# Altium PCB KS_V3S.PcbDoc
Units mil, origin at the board's own origin, x right, y up, seen from the top; angles counter-clockwise.
Board outline 2127 x 1316 mil, 2 copper layers (Top Layer, Bottom Layer), stack 61.756 mil thick; 107 components, 123 nets, 555 pads, 98 vias.
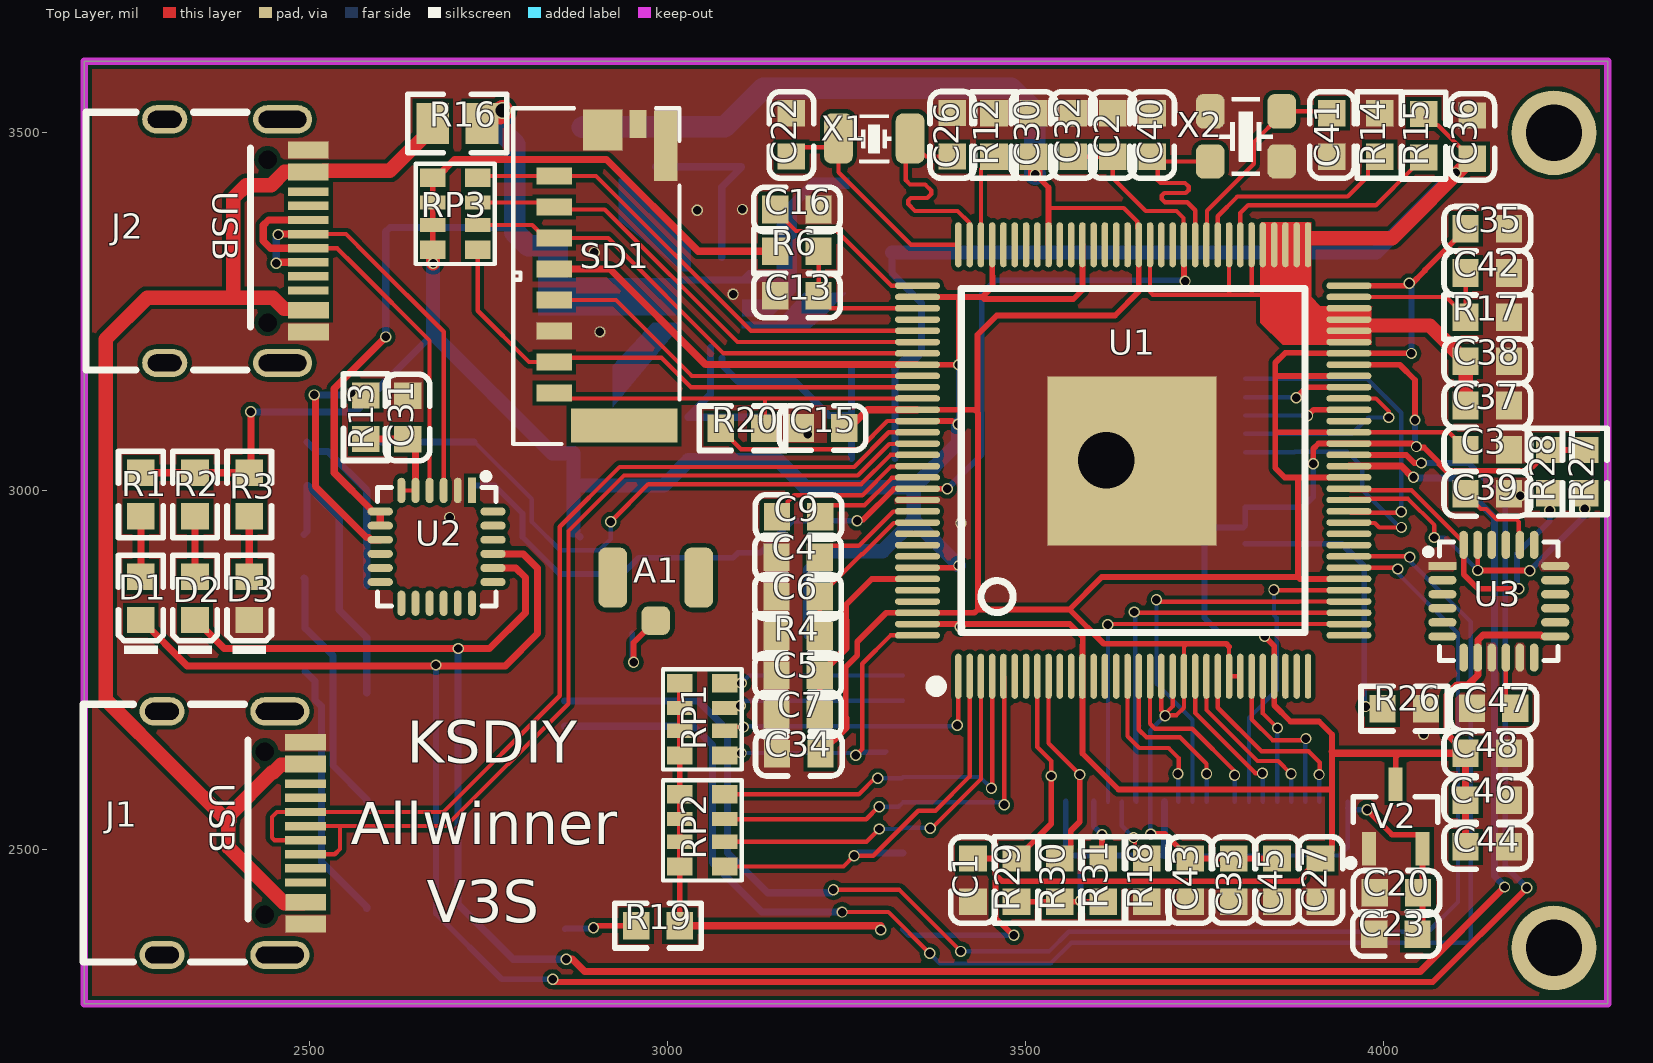
[diagram p0: Top Layer view]
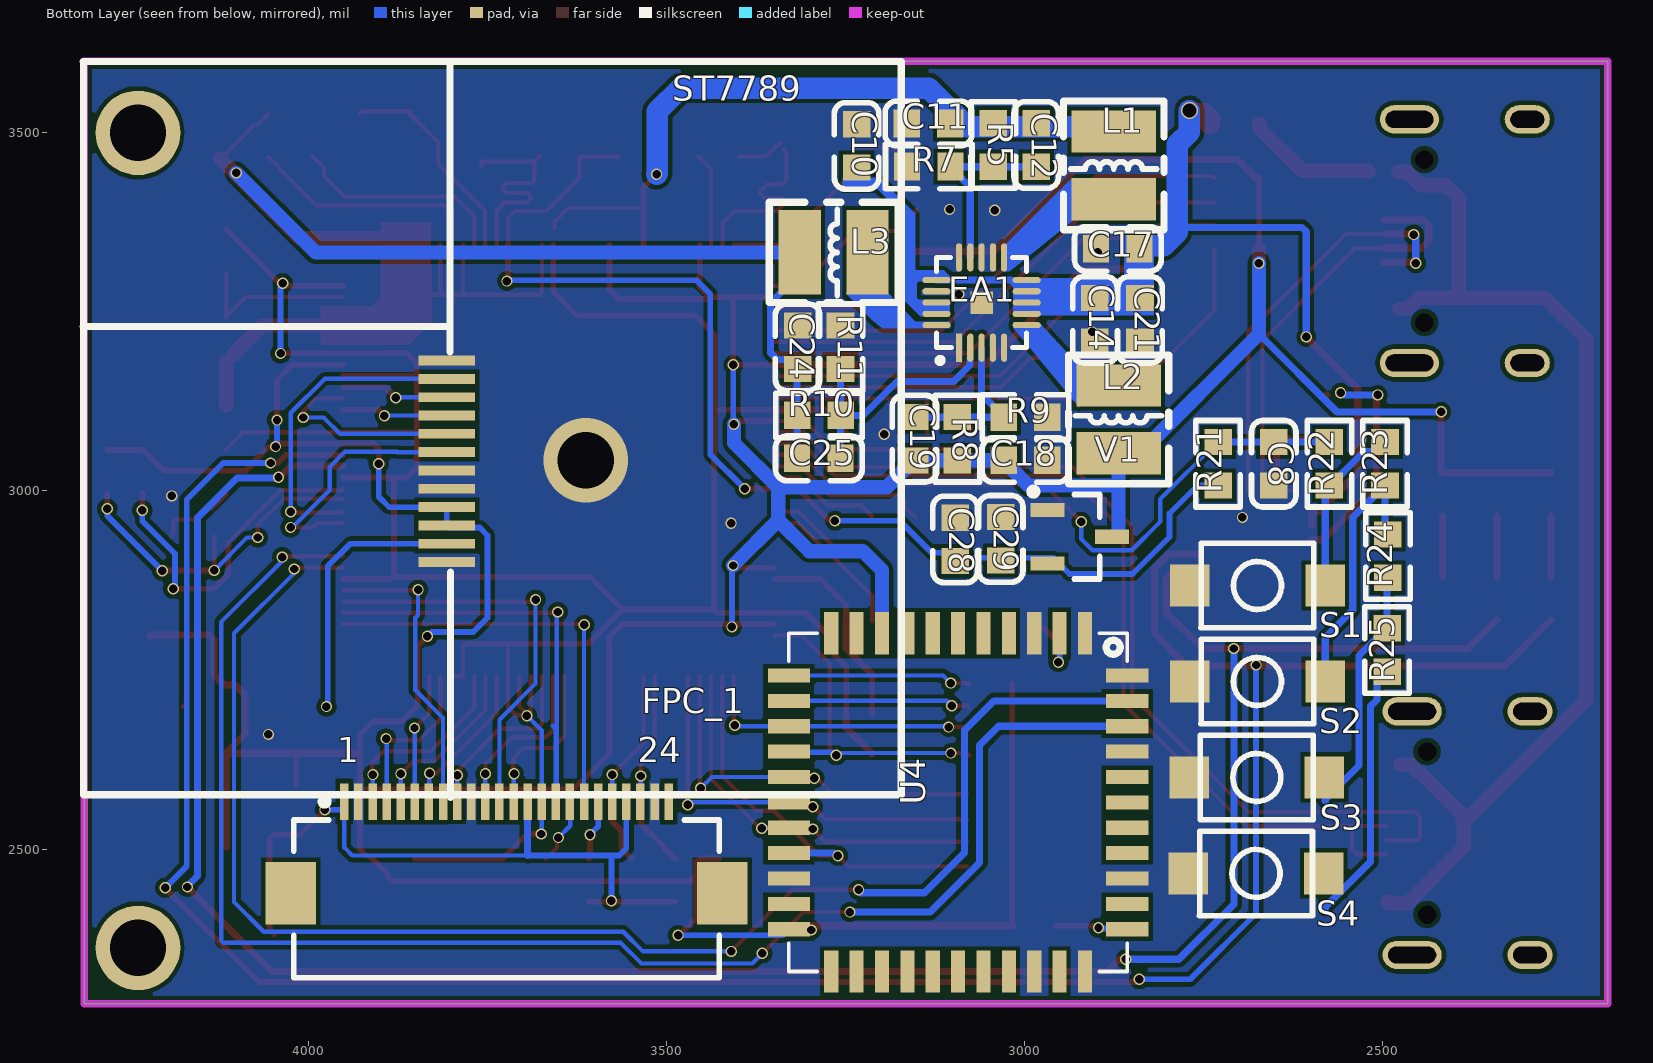
[diagram p1: Bottom Layer view, seen from below]
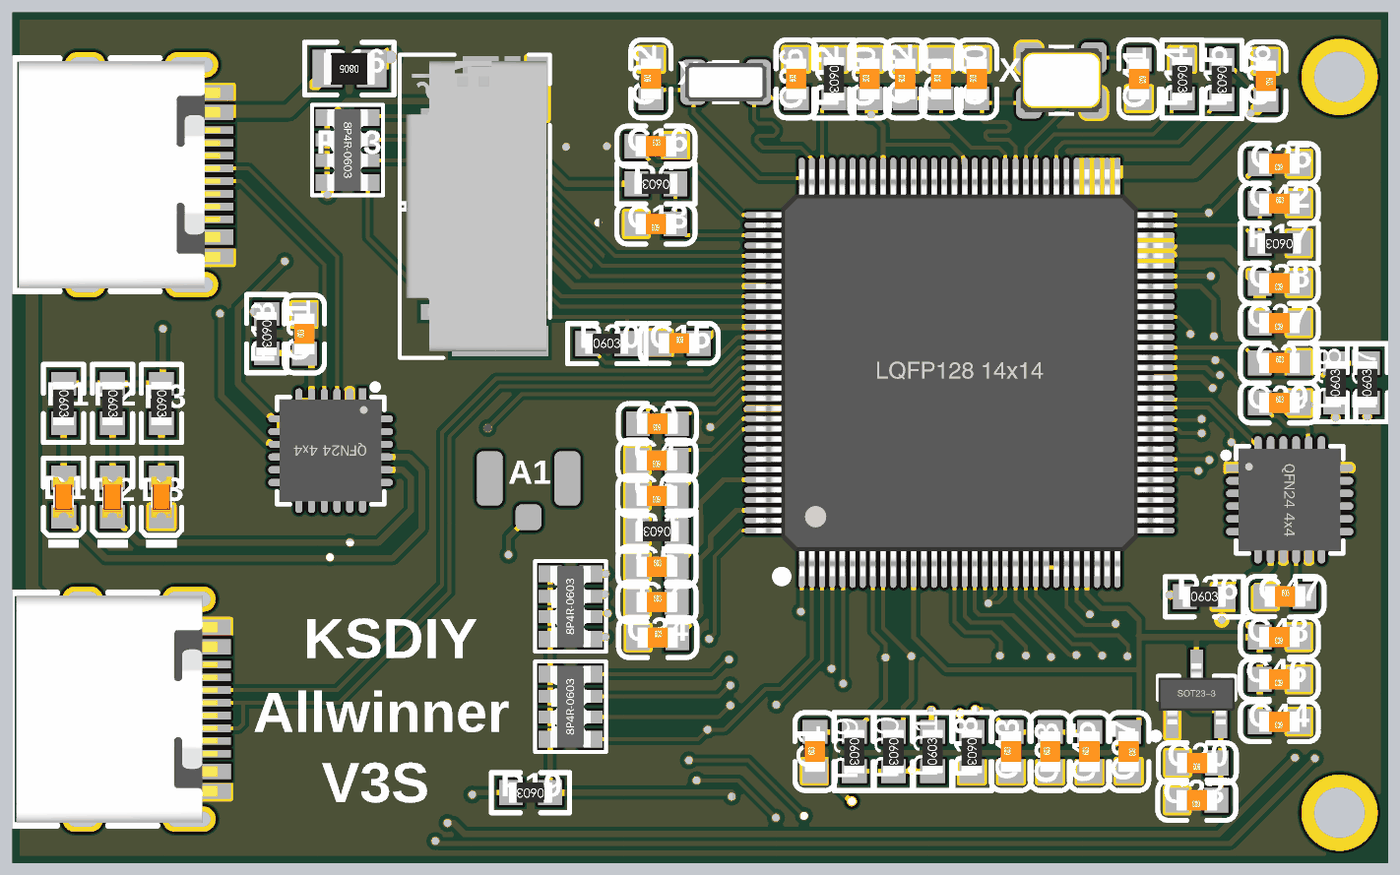
[diagram p2: 3D render of the assembled board from above, using the file's embedded part models]
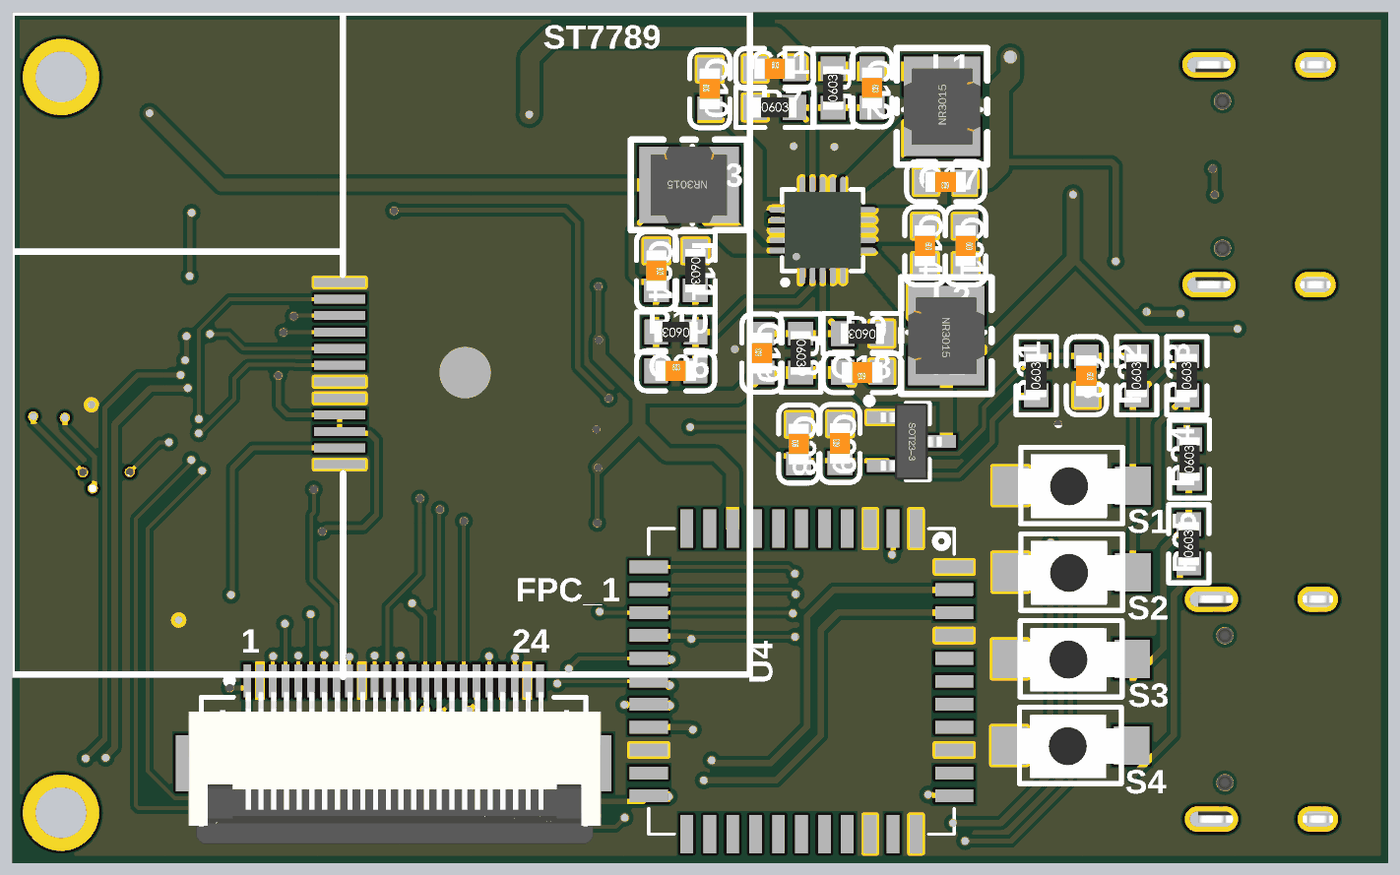
[diagram p3: 3D render of the assembled board from below, using the file's embedded part models]

## Layer stack, top to bottom
Top Solder: solder mask 1, SM-001, Dk 4
Top Layer: signal copper 1.378
Dielectric 1: core 59, Core-043, Dk 4.3
Bottom Layer: signal copper 1.378
Bottom Solder: solder mask 1, SM-001, Dk 4

## Board outline
2186,2284 4313,2284 4313,3600 2186,3600

## Design rules (kind name [scope] priority, off if disabled: settings)
Clearance [All] p1: gap=6 ignorepadtopadclearanceinfootprint=FALSE
PolygonConnect [All] p1: connectstyle=Direct reliefconductorwidth=10 reliefentries=4 polygonreliefangle="90 Angle" airgapwidth=10
RoutingVias [All] p1: holewidth=11.81 width=15.75 viastyle="Through Hole" minholewidth=11.81 minwidth=15.75 maxholewidth=11.81 maxwidth=15.75
SolderMaskExpansion [All] p1: expansion=4 istentingtop=FALSE
Width [All] p1: maxlimit=30 minlimit=6 preferedwidth=8
30 further rules are at their usual default settings.

## Components (designator, comment, footprint, x,y, rotation, side; value= is the part's Value field where it differs from the comment)
A1 "IPX_SMA" IPX_SMA 2984,2879 r270 top
C1 "104" 0603_C 3426.9,2456.63 r90 top
C2 "104" 0603_C 3621.8,3497 r90 top
C3 "105" 0603_C 4145,3057.67 r0 top
C4 "105" 0603_C 3182.68,2907.2 r180 top
C5 "106" 0603_C 3182.68,2742.7 r0 top
C6 "106" 0603_C 3182.68,2852.37 r180 top
C7 "104" 0603_C 3182.68,2687.87 r0 top
C8 "106" 0603_C 2652.33,3038 r270 bottom
C9 "104" 0603_C 3183.36,2963.81 r180 top
C10 "106" 0603_C 3234.74,3481.79 r90 bottom
C11 "106" 0603_C 3134.32,3513 r180 bottom
C12 "18PF" 0603_C 2984,3483 r270 bottom
C13 "104" 0603_C 3181,3272.7 r180 top
C14 "106" 0603_C 2902,3239 r270 bottom
C15 "104" 0603_C 3216.94,3087.93 r0 top
C16 "106" 0603_C 3181,3393 r0 top
C17 "106" 0603_C 2870,3338 r0 bottom
C18 "106" 0603_C 2999,3043 r0 bottom
C19 "18PF" 0603_C 3154,3073 r90 bottom
C20 "104" 0603_C 4018,2439 r180 top
C21 "106" 0603_C 2839,3239 r270 bottom
C22 "10PF" 0603_C 3173.32,3497.17 r90 top
C23 "106" 0603_C 4017.35,2381.29 r180 top
C24 "106" 0603_C 3317.14,3200.53 r270 bottom
C25 "18PF" 0603_C 3287.46,3045.53 r180 bottom
C26 "10PF" 0603_C 3397.89,3497.2 r90 top
C27 "104" 0603_C 3912,2456.63 r270 top
C28 "104" 0603_C 3097.18,2932.35 r90 bottom
C29 "106" 0603_C 3033.53,2933.13 r90 bottom
C30 "106" 0603_C 3511.4,3497 r90 top
C31 "104" 0603_C 2637.44,3102.44 r90 top
C32 "104" 0603_C 3566.6,3497 r90 top
C33 "104" 0603_C 3790.72,2456.63 r90 top
C34 "105" 0603_C 3183.68,2633.04 r0 top
C35 "106" 0603_C 4145,3366 r180 top
C36 "104" 0603_C 4124,3494 r270 top
C37 "105" 0603_C 4145,3119.33 r180 top
C38 "106" 0603_C 4145,3181 r180 top
C39 "104" 0603_C 4145,2996 r0 top
C40 "10PF" 0603_C 3677,3497 r90 top
C41 "10PF" 0603_C 3928,3497 r270 top
C42 "106" 0603_C 4145,3304.33 r0 top
C43 "104" 0603_C 3730.09,2456.63 r90 top
C44 "104" 0603_C 4145,2503 r180 top
C45 "104" 0603_C 3851.36,2456.63 r90 top
C46 "104" 0603_C 4145,2568.33 r180 top
C47 "104" 0603_C 4153.69,2696.53 r0 top
C48 "104" 0603_C 4145,2633.67 r180 top
D1 "白灯 0603" 0603_LED_S1 2265,2850 r90 top
D2 "白灯 0603" 0603_LED_S1 2340.67,2850 r90 top
D3 "白灯 0603" 0603_LED_S1 2416.33,2850 r90 top
EA1 "电源管理IC" "QFN20 3x3_M" 3060.24,3263 r180 bottom
FPC_1 "FPC_24" FPC_24 3724,2434 r180 bottom
J1 "USB type C" "USB Type-C-16Pin_A" 2294.53,2522.21 r270 top
J2 "USB type C" "USB Type-C-16Pin_A" 2298.31,3348.77 r270 top
L1 "2.2UH" NR3015 2875.67,3454.57 r90 bottom
L2 "2.2UH" NR3015 2869,3100 r270 bottom
L3 "2.2UH" NR3015 3266.75,3333 r0 bottom
R1 "Res2" 0603_R 2265,2995 r270 top value=2K
R2 "Res2" 0603_R 2340.67,2995 r270 top value=2K
R3 "Res2" 0603_R 2416.33,2995 r270 top value=2K
R4 "Res2" 0603_R 3182.68,2797.54 r180 top value=200K
R5 "Res2" 0603_R 3044,3483 r90 bottom value=110K
R6 "Res2" 0603_R 3181,3334.74 r180 top value=10K
R7 "Res2" 0603_R 3134,3453 r180 bottom value=110K
R8 "Res2" 0603_R 3094,3073 r270 bottom value=680K
R9 "Res2" 0603_R 2999,3103 r0 bottom value=150K
R10 "Res2" 0603_R 3287.14,3105.53 r0 bottom value=300K
R11 "Res2" 0603_R 3257.14,3200.53 r270 bottom value=150K
R12 "Res2" 0603_R 3456.2,3497 r270 top value=1K
R13 "10K" 0603_R 2579,3103 r270 top
R14 "Res2" 0603_R 3994.67,3497 r270 top value=240
R15 "Res2" 0603_R 4056,3496 r270 top value=2K
R16 "1A保险丝" LC-0805_R 2707,3513 r180 top value=10K
R17 "Res2" 0603_R 4145,3242.67 r180 top value=2K
R18 "Res2" 0603_R 3669.45,2456.63 r270 top value=10k
R19 "Res2" 0603_R 2987,2393 r180 top value=10k
R20 "Res2" 0603_R 3104.86,3087.59 r0 top value=10k
R21 "100K-1%" 0603_R 2730,3038 r90 bottom
R22 "6K8-1%" 0603_R 2574.67,3038 r90 bottom
R23 "8k2-1%" 0603_R 2497,3038 r90 bottom
R24 "10K-1%" 0603_R 2493,2909 r90 bottom
R25 "11K-1%" 0603_R 2494,2778 r90 bottom
R26 "Res2" 0603_R 4029,2696 r0 top value=10
R27 "Res2" 0603_R 4281,3027 r90 top value=10k
R28 "Res2" 0603_R 4232,3027 r90 top value=10k
R29 "Res2" 0603_R 3487.54,2456.63 r270 top value=10k
R30 "Res2" 0603_R 3548.17,2456.63 r270 top value=10k
R31 "Res2" 0603_R 3608.81,2456.63 r90 top value=10k
RP1 "10K" RCA-8P4R-0603 3049,2681 r90 top
RP2 "10K" RCA-8P4R-0603 3049,2526 r90 top
RP3 "10K" RCA-8P4R-0603 2704,3387 r270 top
S1 "VOL+" KEY_1 2675,2868 r180 bottom
S2 "VOL-" KEY_1 2675,2734 r180 bottom
S3 "SELECT" KEY_1 2676,2600 r180 bottom
S4 "START" KEY_1 2677,2466 r180 bottom
SD1 "micro SD" "TF卡座 短体 molex47309-2851_MOL" 2901,3300 r90 top
ST7789 "ST7789V_1.3" ST7789V_12Pin 3789.43,3113.03 r180 bottom
U1 "V3S_1" "LQFP129 14x14_N" 3650.5,3042.38 r0 top
U2 "CP2102N" "QFN24 4x4_N" 2678,2922 r180 top
U3 "MPU6050" "QFN24 4x4_M" 4161,2846 r270 top
U4 "RTL8723BS_Module" R8723BS 3090,2561.22 r270 bottom
V1 "XC6206 1V5" SOT23-3N 2923,2936 r270 bottom
V2 "XC6206 2V8" SOT23-3N 4016.92,2545.54 r0 top
X1 "32.768kHz" XT_3215_2 3289,3492 r180 top
X2 "26MHz" XT_3225_4 3808,3495 r0 top

## Footprints (in the part's own frame and the unit in brackets; to place one, negate y for a bottom-side part, rotate by r counter-clockwise, add the part's x,y. Pads: shape width x height; smd on the part's side, far side on the other; paste and mask are expansions set on the pad)
0603_C [mm]
  rect 0.93x0.98 smd: 1(-0.77,0) 2(0.77,0)
  silkscreen extent -1.53,-0.79 1.54,0.79, body extent -0.8,-0.4 0.8,0.4, height 0.3
0603_LED_S1 [mm]
  rect 0.93x0.98 smd: A(0.77,0) K(-0.77,0)
  silkscreen extent -1.98,-0.79 1.54,0.79, body extent -0.8,-0.4 0.8,0.4, height 0.6
0603_R [mm]
  rect 0.93x0.98 smd: 1(-0.77,0) 2(0.77,0)
  silkscreen extent -1.53,-0.79 1.54,0.79, body extent -0.85,-0.4 0.85,0.4, height 0.56
FPC_24 [mm]
  rect 0.3x1.3 smd: 1(-5.739,3.359) 2(-5.239,3.359) 3(-4.739,3.359) 4(-4.239,3.359) 5(-3.739,3.359) 6(-3.239,3.359) 7(-2.739,3.359) 8(-2.239,3.359) 9(-1.739,3.359) 10(-1.239,3.359) 11(-0.739,3.359) 12(-0.239,3.359) 13(0.261,3.359) 14(0.761,3.359) 15(1.261,3.359) 16(1.761,3.359) 17(2.261,3.359) 18(2.761,3.359) 19(3.261,3.359) 20(3.761,3.359) 21(4.261,3.359) 22(4.761,3.359) 23(5.261,3.359) 24(5.761,3.359)
  rect 1.8x2.2 smd: 25(-7.639,0.109) 26(7.661,0.109)
  silkscreen extent -7.54,-2.89 7.56,3.48, body extent -8.05,-3.05 8.15,2.95, height 2
IPX_SMA [mil]
  rrect50% 40x40 smd: 1(60,0)
  rrect50% 84x40 smd: 2(0,60) 2(0,-60)
KEY_1 [mm]
  rect 1.4x1.5 smd: 1(-2.4,0) 2(2.4,0)
  silkscreen extent -2.01,-1.5 2,1.5, body extent -2.11,-1.28 1.89,1.22, height 1.6
LC-0805_R [mm]
  rect 1.16x1.47 smd: 1(-0.875,0) 2(0.875,0)
  silkscreen extent -1.76,-1.04 1.76,1.03, body extent -1,-0.62 1,0.63, height 0.49
"LQFP129 14x14_N" [mm] "129脚，体宽：14x14mm, 脚距：0.4mm"
  oval 0.23x1.6 smd: 1(-6.2,-7.648) 2(-5.8,-7.648) 3(-5.4,-7.648) 4(-5,-7.648) 5(-4.6,-7.648) 6(-4.2,-7.648) 7(-3.8,-7.648) 8(-3.4,-7.648) 9(-3,-7.648) 10(-2.6,-7.648) 11(-2.2,-7.648) 12(-1.8,-7.648) 13(-1.4,-7.648) 14(-1,-7.648) 15(-0.6,-7.648) 16(-0.2,-7.648) 17(0.2,-7.648) 18(0.6,-7.648) 19(1,-7.648) 20(1.4,-7.648) 21(1.8,-7.648) 22(2.2,-7.648) 23(2.6,-7.648) 24(3,-7.648) 25(3.4,-7.648) 26(3.8,-7.648) 27(4.2,-7.648) 28(4.6,-7.648) 29(5,-7.648) 30(5.4,-7.648) 31(5.8,-7.648) 32(6.2,-7.648) 65(6.2,7.653) 66(5.8,7.653) 67(5.4,7.653) 68(5,7.653) 69(4.6,7.653) 70(4.2,7.653) 71(3.8,7.653) 72(3.4,7.653) 73(3,7.653) 74(2.6,7.653) 75(2.2,7.653) 76(1.8,7.653) 77(1.4,7.653) 78(1,7.653) 79(0.6,7.653) 80(0.2,7.653) 81(-0.2,7.653) 82(-0.6,7.653) 83(-1,7.653) 84(-1.4,7.653) 85(-1.8,7.653) 86(-2.2,7.653) 87(-2.6,7.653) 88(-3,7.653) 89(-3.4,7.653) 90(-3.8,7.653) 91(-4.2,7.653) 92(-4.6,7.653) 93(-5,7.653) 94(-5.4,7.653) 95(-5.8,7.653) 96(-6.2,7.653)
  oval 1.6x0.23 smd: 33(7.651,-6.198) 34(7.651,-5.798) 35(7.651,-5.398) 36(7.651,-4.998) 37(7.651,-4.598) 38(7.651,-4.198) 39(7.651,-3.798) 40(7.651,-3.398) 41(7.651,-2.998) 42(7.651,-2.598) 43(7.651,-2.198) 44(7.651,-1.798) 45(7.651,-1.398) 46(7.651,-0.998) 47(7.651,-0.598) 48(7.651,-0.198) 49(7.651,0.202) 50(7.651,0.602) 51(7.651,1.002) 52(7.651,1.402) 53(7.651,1.802) 54(7.651,2.202) 55(7.651,2.602) 56(7.651,3.002) 57(7.651,3.402) 58(7.651,3.802) 59(7.651,4.202) 60(7.651,4.602) 61(7.651,5.002) 62(7.651,5.402) 63(7.651,5.802) 64(7.651,6.202) 97(-7.651,6.202) 98(-7.651,5.802) 99(-7.651,5.402) 100(-7.651,5.002) 101(-7.651,4.602) 102(-7.651,4.202) 103(-7.651,3.802) 104(-7.651,3.402) 105(-7.651,3.002) 106(-7.651,2.602) 107(-7.651,2.202) 108(-7.651,1.802) 109(-7.651,1.402) 110(-7.651,1.002) 111(-7.651,0.602) 112(-7.651,0.202) 113(-7.651,-0.198) 114(-7.651,-0.598) 115(-7.651,-0.998) 116(-7.651,-1.398) 117(-7.651,-1.798) 118(-7.651,-2.198) 119(-7.651,-2.598) 120(-7.651,-2.998) 121(-7.651,-3.398) 122(-7.651,-3.798) 123(-7.651,-4.198) 124(-7.651,-4.598) 125(-7.651,-4.998) 126(-7.651,-5.398) 127(-7.651,-5.798) 128(-7.651,-6.198)
  rect 6x6 smd: 129(-0.038,-0.01)
  silkscreen extent -7.11,-8.13 6.1,6.1, body extent -8,-8 8,8.01, height 1.45
NR3015 [mm] "3mm*3mm*1.5mm(长*宽*高）"
  rect 1.5x3 smd: 1(-1.2,0) 2(1.2,0)
  silkscreen extent -2.29,-1.78 2.29,1.78, body extent -1.5,-1.5 1.5,1.5, height 1.45
"QFN20 3x3_M" [mm] "20脚，长x宽x高：3x3x0.8mm，脚距：0.4mm"
  rect 0.22x1 smd: 1(-0.8,-1.6)
  oval 0.22x1 smd: 2(-0.4,-1.6) 3(0,-1.6) 4(0.4,-1.6) 5(0.8,-1.6) 11(0.8,1.6) 12(0.4,1.6) 13(0,1.6) 14(-0.4,1.6) 15(-0.8,1.6)
  oval 1x0.22 smd: 6(1.6,-0.8) 7(1.6,-0.4) 8(1.6,0) 9(1.6,0.4) 10(1.6,0.8) 16(-1.6,0.8) 17(-1.6,0.4) 18(-1.6,0) 19(-1.6,-0.4) 20(-1.6,-0.8)
  rect 0.8x0.8 smd: 21(0,0)
  silkscreen extent -1.6,-2.12 1.6,1.6, body extent -1.51,-1.51 1.51,1.51, height 0.75
"QFN24 4x4_M" [mm] "24脚，长x宽x高：4x4x1mm，脚距：0.5mm"
  rect 0.3x1 smd: 1(-1.25,-2)
  oval 0.3x1 smd: 2(-0.75,-2) 3(-0.25,-2) 4(0.25,-2) 5(0.75,-2) 6(1.25,-2) 13(1.25,2) 14(0.75,2) 15(0.25,2) 16(-0.25,2) 17(-0.75,2) 18(-1.25,2)
  oval 1x0.3 smd: 7(2,-1.25) 8(2,-0.75) 9(2,-0.25) 10(2,0.25) 11(2,0.75) 12(2,1.25) 19(-2,1.25) 20(-2,0.75) 21(-2,0.25) 22(-2,-0.25) 23(-2,-0.75) 24(-2,-1.25)
  silkscreen extent -2.11,-2.6 2.11,2.11, body extent -2.01,-2.01 2.01,2.01, height 0.95
"QFN24 4x4_N" [mm] "24脚，长x宽x高：4x4x1mm，脚距：0.5mm"
  rect 0.28x0.9 smd: 1(-1.25,-2)
  oval 0.28x0.9 smd: 2(-0.75,-2) 3(-0.25,-2) 4(0.25,-2) 5(0.75,-2) 6(1.25,-2) 13(1.25,2) 14(0.75,2) 15(0.25,2) 16(-0.25,2) 17(-0.75,2) 18(-1.25,2)
  oval 0.9x0.28 smd: 7(2,-1.25) 8(2,-0.75) 9(2,-0.25) 10(2,0.25) 11(2,0.75) 12(2,1.25) 19(-2,1.25) 20(-2,0.75) 21(-2,0.25) 22(-2,-0.25) 23(-2,-0.75) 24(-2,-1.25)
  silkscreen extent -2.11,-2.6 2.11,2.11, body extent -2.01,-2.01 2.01,2.01, height 0.95
R8723BS [mm]
  rect 1.5x0.5 smd: 1(-6.102,4.424) 2(-6.102,3.524) 3(-6.102,2.624) 4(-6.102,1.724) 5(-6.102,0.824) 6(-6.102,-0.076) 7(-6.102,-0.976) 8(-6.102,-1.876) 9(-6.102,-2.776) 10(-6.102,-3.676) 11(-6.102,-4.576) 23(5.898,-4.576) 24(5.898,-3.676) 25(5.898,-2.776) 26(5.898,-1.876) 27(5.898,-0.976) 28(5.898,-0.076) 29(5.898,0.824) 30(5.898,1.724) 31(5.898,2.624) 32(5.898,3.524) 33(5.898,4.424)
  rect 0.5x1.5 smd: 12(-4.602,-6.076) 13(-3.702,-6.076) 14(-2.802,-6.076) 15(-1.902,-6.076) 16(-1.002,-6.076) 17(-0.102,-6.076) 18(0.798,-6.076) 19(1.698,-6.076) 20(2.598,-6.076) 21(3.498,-6.076) 22(4.398,-6.076) 34(4.398,5.924) 35(3.498,5.924) 36(2.598,5.924) 37(1.698,5.924) 38(0.798,5.924) 39(-0.102,5.924) 40(-1.002,5.924) 41(-1.902,5.924) 42(-2.802,5.924) 43(-3.702,5.924) 44(-4.602,5.924)
  silkscreen extent -6.1,-6.08 5.9,5.92, body extent -6.1,-6.08 5.9,5.92, height 1.6
RCA-8P4R-0603 [mm] "3.2mm*1.6mm*0.6mm(长*宽*厚)"
  rect 0.65x0.9 smd: 1(-1.28,-0.8) 4(1.28,-0.8) 5(1.28,0.8) 8(-1.28,0.8)
  rect 0.5x0.9 smd: 2(-0.4,-0.8) 3(0.4,-0.8) 6(0.4,0.8) 7(-0.4,0.8)
  silkscreen extent -1.78,-1.4 1.78,1.4, body extent -1.6,-0.8 1.6,0.8, height 0.6
SOT23-3N [mm] "3x1.3x1mm(长宽高)"
  rect 0.5x1.2 smd: 1(-0.95,-1.143) 2(0.95,-1.143) 3(0,1.143)
  silkscreen extent -1.72,-1.78 1.5,0.7, body extent -1.5,-1.2 1.5,1.2, height 1.05
ST7789V_12Pin [mm]
  rect 2x0.35 smd: 1(-0.446,-5.395) 2(-0.446,-4.745) 3(-0.446,-4.095) 4(-0.446,-3.445) 5(-0.446,-2.795) 6(-0.446,-2.145) 7(-0.446,-1.495) 8(-0.446,-0.845) 9(-0.446,-0.197) 10(-0.446,0.453) 11(-0.446,1.103) 12(-0.446,1.755)
  silkscreen extent -13.34,-13.74 15.67,12.36
"TF卡座 短体 molex47309-2851_MOL" [mil]
  rect 24x49 smd paste+0 mask+0: 1(139.76,58.83) 2(96.46,58.83) 3(53.15,58.83) 4(9.84,58.83) 5(-33.46,58.83) 6(-76.77,58.83) 7(-120.08,58.83) 8(-163.39,58.83)
  rect 47x149 smd paste+0 mask+0: 9(-208.66,-38.8)
  rect 98.43x33 smd: 10(182.09,-96.68)
  rect 57x55 smd paste+0 mask+0: 10(203.74,-9.08)
  rect 39x24 smd paste+0 mask+0: 10(212.6,-58.29)
  silkscreen extent -234,-116 234,116, body extent -224,-111 224,106, height 102
"USB Type-C-16Pin_A" [mm]
  round 0 hole 0.65: 0(-2.89,3.65) 0(2.89,3.65)
  oval 1x2.1 hole 0.6 slot 1.7 at 90 deg: 1(-4.32,4.18) 1(4.32,4.18)
  oval 1x1.6 hole 0.6 slot 1.2 at 90 deg: 1(-4.32,0) 1(4.32,0)
  rect 0.3x1.45 smd: A1(-3.375,5.092) A4(-2.6,5.092) A5(-1.25,5.092) A6(-0.25,5.092) A7(0.25,5.092) A8(-1.75,5.092) A9(2.6,5.1) A12(3.375,5.1) B1(3.075,5.1) B4(2.3,5.1) B5(1.75,5.092) B6(0.75,5.092) B7(-0.75,5.092) B8(1.25,5.092) B9(-2.3,5.092) B12(-3.075,5.092)
  silkscreen extent -4.57,-2.79 4.57,3.05, body extent -4.47,-2.6 4.47,5.3, height 3.25
XT_3215_2 [mil]
  rrect50% 40x70 smd: 1(-50,0) 2(50,0)
  silkscreen extent -24,-34 24,34, body extent -63,-30 63,30, height 35
XT_3225_4 [mil]
  rrect50% 40x48 smd: 1(-50,-35) 2(50,-35) 3(50,35) 4(-50,35)
  silkscreen extent -38,-54 38,54, body extent -63,-49 63,49, height 41

## Part data
A1: "IPX"
C1 C2 C3 C4 C5 C6 C7 C8 C9 C10 C11 C12 C13 C14 C15 C16 C17 C18 C19 C20 C21 C22 C23 C24 C25 C26 C27 C28 C29 C30 C31 C32 C33 C34 C35 C36 C37 C38 C39 C40 C41 C42 C43 C44 C45 C46 C47 C48: library part CAP
D1 D2 D3: library part "0603 白灯", "发光二极管", Package=0603, SuppliersPartNumber=C2290, ComponentLink1Description=供应商链接, ComponentLink1URL=http://www.szlcsc.com/product/details_2663.html, Supplier=LC
EA1: library part EA3036
J1 J2: library part USB_C
L1 L2 L3: library part L1, "电感"
R1 R2 R3 R4 R5 R6 R7 R8 R9 R10 R11 R12 R14 R15 R17 R18 R19 R20 R26 R27 R28 R29 R30 R31: "Resistor", LatestRevisionDate=17-Jul-2002, LatestRevisionNote="Re-released for DXP Platform.", PackageReference=AXIAL-0.4, Published=8-Jun-2000, Publisher="Altium Limited"
R13: library part RES, "普通电阻"
R16: library part Res2, "Resistor", LatestRevisionDate=17-Jul-2002, LatestRevisionNote="Re-released for DXP Platform.", PackageReference=AXIAL-0.4, Published=8-Jun-2000, Publisher="Altium Limited"
R21 R22 R23 R24 R25: library part R
RP1 RP2 RP3: library part 224, BOM名称=贴片网络排阻, 学习资源=www.ooocke.com, 版权归属=源创客
S1 S2 S3 S4: library part SW-PB, "Switch", LatestRevisionDate=17-Jul-2002, LatestRevisionNote="Re-released for DXP Platform.", PackageReference=SPST-2, Published=24-Mar-1999, Publisher="Altium Limited"
U2: library part CP2104
V1 V2: library part XC6206P332MR, "低压差线性稳压芯片", BOM名称=低压差线性稳压芯片, 学习资源=www.ooocke.com, 版权归属=源创客
X1: library part XTAL_32.768k, "Crystal Oscillator"
X2: library part XTAL_3225_4P, "Crystal Oscillator", Type=XTAL3225

## Free pads (board coordinates)
  round 118.11 hole 78.74: 2(4238,2362) 2(4238,3500)

## Via types
v1: diameter 15.75, hole 11.81, Top Layer to Bottom Layer, tented both sides, 84 vias
v2: diameter 15.75, hole 11.81, Top Layer to Bottom Layer, 12 vias
v3: diameter 23.62, hole 19.68, Top Layer to Bottom Layer, tented both sides, 1 vias
v4: diameter 118.11, hole 78.74, Top Layer to Bottom Layer, tented both sides, 1 vias
